# KiCad board GateMateA1-EVB_Rev_B.kicad_pcb (continued)
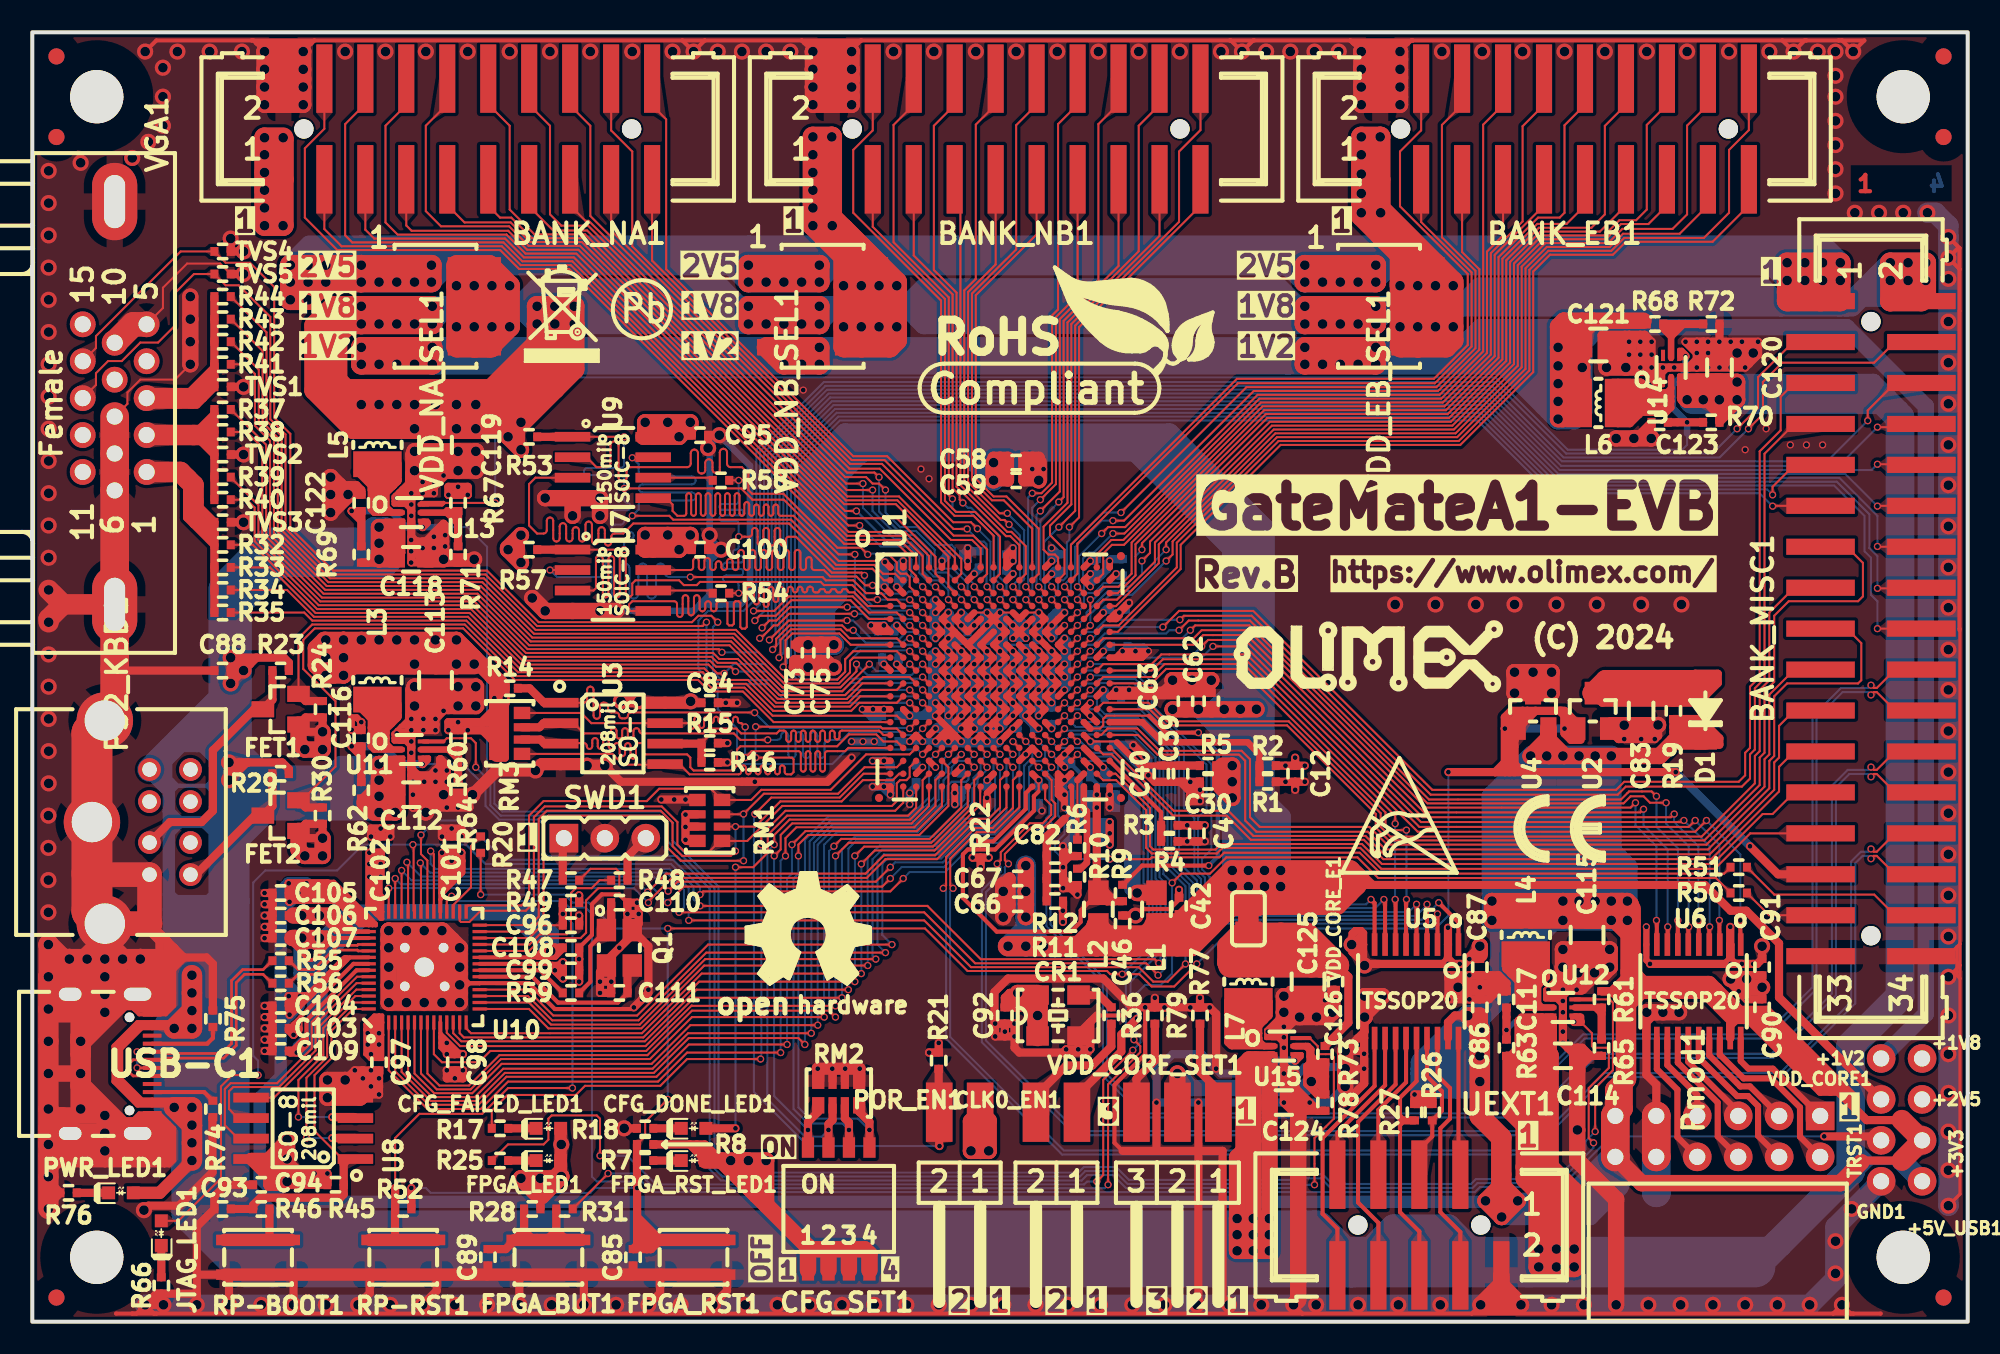
[diagram p0: board, top side]
## Routing (per net, layer and track width the routed paths; a pad name or vN(x,y) marks a point on that pad's centre or on a via; arc(x,y) is an arc through that point) (continued)
  Top w0.508: 79.7,13.09 R78.2 ; 79.7,13.09 79,13.09 C124.2 ; 79.7,13.09 79.7,13.1 v1(79.2,13.6) 78.3,14.5 78.3,14.6 ; 71.8,32.3 v1(72.4,32.3) v1(72.4,33) ; 71.8,32.3 71.8,32.7 ; 71.8,32.3 72.4,32.9 v1(72.4,33) ; v1(23.5,37.4) v1(25,37.4) 25.8,38.2 ; 100.31,59.2 99.2,59.2 99,59.4 v2(98.8,59.2) 98.8,61.17 98.74,61.23 C121.2 ; 100.31,59.2 100.9,59.2 ; 100.31,59.2 99.97,59.53 99.97,61.23 ; 25.5,49.5 25.6,49.4 25.6,49.15 ; 25.5,49.5 24.4,48.4 24.2,48.4 ; 25.5,49.5 24.9,48.9 v1(24.9,48.7) ; v1(78.3,15.4) 78.3,14.6 ; v1(78.3,15.4) 78.1,15.4 ; v1(78.3,15.4) v1(77.6,15.4) ; 78.3,14.6 78.3,13.9 78.49,13.71 77.6,14.6 ; C117.2 91.39,20.5 90.8,20.5 ; C117.2 91.4,21 ; C117.2 90.81,20.51 90.8,20.5 ; v2(80.6,19.2) 80.8,19.4 C126.1 77.99,20.59 v2(77.6,20.2) ; 90.8,20.5 90.8,21.1 90.4,21.5 ; 90.8,20.5 90.9,20.5 91.4,21 ; 90.8,20.5 90.31,20.01 C86.2 ; 90.8,20.5 90,20.5 v1(89.75,20.75) ; 20.5,15.6 v1(20,15.6) v2(19.4,15) ; 20.5,15.6 20.5,14.6 21.5,14.6 ; 20.5,15.6 20.51,15.59 C97.2 v1(21.5,15.1) 21.5,14.6 ; v1(71.8,33.49) 71.8,33 ; v1(71.8,33.49) C40.1 69.61,33.49 v1(69.2,33.9) ; v1(71.8,33.49) C39.1 ; 71.8,33 71.8,32.7 ; 71.8,33 v1(72.4,33) ; 28.2,2.92 28.25,2.97 C89.2 ; U5.11 v1(82.57,16.62) ; U5.11 82.2,17.6 ; U5.11 82.57,18.88 v2(82.6,18.9) 82.6,18 82.2,17.6 ; v1(82.57,16.62) v1(82.57,15.7) ; v1(82.57,16.62) 82.4,16.8 v2(81.4,16.8) 82.2,17.6 ; R22.2 58.31,28.79 v1(58.3,28.8) ; R22.2 59.29,28.79 v1(59.3,28.8) ; R22.2 v1(58.8,28.2) ; 65.6,18.6 66,19 ; 65.6,18.6 64.87,17.87 CR1.2 64.87,16.92 v1(64.85,16.9) ; 65.6,18.6 v1(65.6,16.9) ; 23.9,31.9 23.9,33.2 ; 23.9,31.9 v1(23.6,31.9) ; 23.9,31.9 v1(27.1,31.9) ; 23.9,33.2 v1(23.6,33.5) ; 23.9,33.2 25.7,33.2 ; C88.2 5.21,40.4 5.11,40.5 ; v1(25,34.2) v1(24.3,33.5) ; v1(25,34.2) 25.3,34.5 25.3,34.9 ; v1(25,34.2) v1(25,33.5) ; v1(25,34.2) 24.7,33.9 23.9,33.9 ; R66.2 10.16,1.74 10.2,1.7 ; R66.2 8,1.55 7.5,1.05 ; R66.2 7.69,1.74 v2(7,1.05) 7.5,1.05 ; R66.2 8,1.19 v2(8.14,1.05) 7.5,1.05 ; v2(20.2,1.05) 20.92,1.78 RP-RST1.2 ; 80.6,20 80.7,20.1 80.7,20.59 ; 72.3,10.6 73.8,10.6 73.8,1.45 v2(74.2,1.05) ; 72.3,10.6 72.3,1.15 v2(72.2,1.05) ; 72.3,10.6 69.7,10.6 ; 72.3,10.6 v1(72.3,13.6) ; RM2.2.2 49.62,15.68 v1(49.6,15.7) ; v2(24.2,1.05) 25.08,1.93 RP-RST1.2 ; C82.2 63.92,28.89 R6.1 64.3,28.89 ; C82.2 63.91,28.5 ; C82.2 63.91,29.3 ; R10.1 64.32,27.09 R12.2 ; R10.1 v1(64.8,26.5) 64.4,26.9 v1(63.91,26.9) ; R10.1 64.1,27.09 v1(63.91,26.9) ; 23.5,48 v1(24.2,48) 25.5,48 v1(25.6,48.1) ; 23.5,48 23.5,47.11 24.19,47.11 C118.2 24.2,47.3 23.5,48 ; 23.5,48 23.5,49.3 ; 23.5,48 23.9,48.4 ; 25.3,34.9 25.7,34.5 v1(25.7,33.5) ; 25.3,34.9 25.3,33.5 ; v1(59.7,18.5) v1(59.7,17.7) 60.3,17.7 ; v1(59.7,18.5) 59.71,18.49 C92.1 ; v1(59.7,18.5) 59.66,18.54 59.66,20.46 60.49,21.29 66.41,21.29 68.19,19.51 v1(69,19.51) R79.2 ; v1(21.5,14.1) 20.23,14.1 U8.4 ; v1(21.5,14.1) 21.5,14.6 ; v1(21.5,14.1) v1(21,14.6) v1(21,15.6) ; v2(1,9) 1,8.74 R76.2 1,7.26 v2(1,7) ; 100.39,54.81 C123.2 99.39,54.8 ; v1(23.6,33.5) v1(23.6,31.9) ; v1(23.6,33.5) 25.3,33.5 ; 10.2,1.7 v2(10.2,1.05) ; 10.2,1.7 10.2,2.9 ; U6.11 100.07,18.58 100.7,19.2 ; U6.11 100.07,19.18 v2(100.1,19.2) ; U6.11 100.07,15.33 100.69,14.71 Pmod1.5 ; R75.1 11.2,22.2 10.8,22.6 9.4,22.6 ; 7.9,24.1 7.9,22.5 7.9,23.6 6.8,24.7 ; 7.9,24.1 8.35,23.65 ; 7.9,24.1 7.3,24.7 ; v1(65.6,16.9) v1(64.1,16.9) 63.9,16.7 ; v1(65.6,16.9) 65.4,16.7 63.9,16.7 ; v1(33.9,25.2) 33.91,25.19 C96.2 ; 77.6,14.6 v1(77.6,13.6) 77.6,13.59 78.49,12.7 ; 77.6,14.6 77.6,15.9 ; 78.1,15.4 77.6,15.9 ; 78.1,15.4 78.1,13.39 78.49,13 ; 77.6,15.9 v2(77.6,19.2) ; v2(6.7,22.5) 6.8,22.6 8.4,22.6 ; C42.2 v1(71.1,26.8) ; 102.5,59.2 102.7,59.2 103.2,59.7 ; 102.5,59.2 100.9,59.2 ; 102.5,59.2 v1(103.9,59.2) ; 102.5,59.2 102.25,59.2 ; 8.35,23.65 8.4,23.6 8.4,22.6 ; 8.35,23.65 8.8,23.2 ; v1(72.7,29.8) 72.21,29.8 C4.2 72.19,29.8 v1(71.61,29.8) R4.1 ; C102.2 v1(21.6,30.6) ; C102.2 22.19,30.11 v1(22.2,30.1) 22.2,30.6 v1(21.6,30.6) ; C102.2 21.01,30.11 v1(21,30.1) 21,30.6 v1(21.6,30.6) ; 9.4,22.6 8.8,23.2 ; 9.4,22.6 8.8,22.6 ; 9.4,22.6 8.2,21.4 ; v1(87.8,21.5) 87.8,21.32 89.11,20.01 C86.2 ; v1(87.8,21.5) v1(89.1,21.5) ; v1(87.8,21.5) v1(87.8,20) ; 106.45,59.45 106.4,59.5 104.2,59.5 ; 106.45,59.45 107,60 v1(107,60.8) v1(103.2,60.8) v1(103.2,60.1) ; 106.45,59.45 v1(106.2,59.2) v1(103.9,59.2) ; v1(63.91,26.9) R12.2 ; C92.1 60.89,18.49 v1(60.9,18.5) 60.9,17 61.2,16.7 63.9,16.7 ; C92.1 v1(60.3,18) 60.3,17.7 ; C46.2 68.39,25.21 v2(68.4,25.2) ; C39.1 71.8,32.89 71.8,32.7 ; C39.1 72.38,33.49 C30.2 72.4,33.49 v1(72.4,33) ; v1(66.8,32.7) v1(66.8,31.9) ; v1(23.5,36.7) v1(25,36.7) 25,37.05 ; 63.91,28.5 v1(63.91,28.2) R12.2 ; 63.91,28.5 64.3,28.89 ; 23.5,50.95 v1(23.5,51.4) ; v1(23.5,51.4) v1(24.9,51.4) 24.9,51.8 ; v1(23.5,51.4) 23.5,49.3 ; 23.5,36.8 23.75,37.05 25,37.05 ; 23.5,36.8 23.5,36.34 23.86,36.7 v1(24.25,36.7) 24.25,38.15 24.3,38.2 ; 23.5,36.8 23.5,34.4 ; v1(25.6,48.8) 25.5,48.7 v1(24.9,48.7) ; C98.2 25.71,15.59 v1(25.7,15.6) 25.7,15.1 26.7,15.1 v1(26.7,15.6) 26.69,15.59 C98.2 ; C98.2 v1(26.2,15.1) ; 8.8,23.2 8.8,22.6 ; 8.8,22.6 8.4,22.6 ; 99,60.85 99,61.23 ; 99,60.85 99,60.35 ; 99,60.85 99.2,60.85 99.22,60.83 ; 99,61.23 97.33,61.23 97.3,61.2 97.3,59.5 v2(97.6,59.2) ; 99,61.23 99.7,61.23 ; 99,61.23 99.22,61 99.22,60.83 ; v1(25.7,33.5) 25.7,33.2 ; v1(25.7,33.5) 25.3,33.5 ; R16.2 v1(43.1,34.7) ; v1(103.2,60.1) 103.2,59.7 ; v1(103.2,60.1) 103.21,60.09 C120.2 ; v1(103.2,60.1) v1(102.5,60.8) 103.6,60.8 ; 103.2,59.7 v1(103.2,59.2) 103.6,59.6 103.6,60.8 ; C101.2 v1(26,30.6) ; C101.2 26.59,30.11 v1(26.6,30.1) 26.6,30.6 v1(26,30.6) ; C101.2 25.41,30.11 v1(25.4,30.1) 25.4,30.6 v1(26,30.6) ; 91.4,21 90.9,21.5 90.4,21.5 ; C103.2 v1(14.4,18.2) ; C103.2 14.89,18.9 ; C103.2 14.89,17.5 ; 95.79,16.5 95.79,16.99 95.8,17 ; 95.79,16.5 95.7,16.5 95.2,17 ; 95.79,16.5 97.29,16.5 R65.2 96.61,16.49 ; v1(106.3,20) 106.31,20.01 C90.2 v2(107.25,20.75) C91.2 106.53,21.49 v2(106.3,21.26) ; v1(106.3,20) 106.3,20.75 ; v1(106.3,20) 105.3,21 v2(105.3,21.26) ; C12.2 78.29,33.5 v1(77.7,33.5) R1.1 ; C12.2 v1(78.3,33) ; C12.2 78.31,33.5 v1(78.9,33.5) ; C86.2 v1(89.75,20.75) ; 103.6,60.8 v1(103.9,60.8) v1(103.9,60.1) v1(103.9,59.2) ; v2(25.5,32.7) 25.74,32.46 R64.2 27.06,32.46 v2(27.3,32.7) 27.1,32.5 v1(27.1,31.9) ; 94.9,18.6 v1(94.9,17.3) 95.2,17 ; 94.9,18.6 94.9,18.8 ; 94.9,18.6 94.9,20.8 ; v1(14.4,17.5) 14.89,17.5 ; 14.89,17.5 C109.2 v1(14.4,16.8) ; C122.2 20.29,51.31 19.7,51.9 ; C122.2 19.59,51.31 v2(19.58,51.32) ; C122.2 20.4,51.6 20.1,51.9 19.7,51.9 ; v1(33.9,21.1) 33.91,21.11 C99.2 33.91,22.49 v1(33.9,22.5) 33.91,22.51 C108.2 ; 23.5,34.4 23.5,33.9 ; 23.5,34.4 23.5,34.3 23.9,33.9 ; 23.5,33.9 23.9,33.9 ; 23.5,33.9 23.5,33.59 C112.2 ; FPGA_RST1.2 38.93,1.78 v2(38.2,1.05) ; v1(103.9,59.2) 104.2,59.5 ; 44.3,33.5 49.3,33.5 v1(50.8,35) ; 44.3,33.5 36.5,33.5 v2(35.5,34.5) ; 44.3,33.5 v1(44.8,33.5) ; 104.2,59.5 104.61,59.91 C120.2 ; v2(13.1,66.4) TVS4.1 12.31,67.19 v2(12.3,67.2) ; 23.5,51.08 23.82,51.4 v1(24.2,51.4) 23.95,51.4 ; 41.91,48.3 42.31,47.9 v2(42.7,47.9) C100.1 41.91,48.3 ; 41.91,48.3 41.91,48.71 v2(42,48.8) ; 99.7,61.23 99.97,61.23 ; 99.7,61.23 v1(99.7,59.2) 99.22,59.67 99.22,59.9 ; 99.97,61.23 v1(100.4,60.8) 100.4,59.45 100.65,59.2 v1(101.1,59.2) ; R79.2 v1(69.6,20.1) ; R79.2 70.19,19.51 v1(70.2,19.5) 70.21,19.51 R77.1 ; v2(42.6,55) C95.1 41.91,54.21 v2(41.9,54.2) ; v1(82.57,15.7) 82.57,14.78 81.4,13.6 v2(81.4,14.6) ; v1(82.57,15.7) v2(81.4,15.7) ; 19.7,51.9 19,51.9 ; v1(56.2,17.3) R21.1 55.61,16.71 v1(55.6,16.7) ; 99,60.35 99,59.8 99.22,59.58 99.22,59.9 ; 99,60.35 99.22,60.58 ; v1(27.1,31.9) 26.8,32.2 23.9,32.2 v1(23.6,31.9) ; 23.9,48.4 23.8,48.4 23.5,48.7 ; 23.9,48.4 24.2,48.4 ; Q1.3 36.9,24.6 36.9,25.99 C110.2 v1(37.5,26) 37.6,25.9 37.6,24.7 Q1.3 ; Q1.3 37.2,24 v1(36.4,23.2) 35.6,22.4 Q1.3 ; Q1.3 38.2,23.3 38.2,20.4 v1(37.8,20) v1(37.3,19.5) ; C87.2 89.11,21.49 87.8,20.18 v1(87.8,20) ; C87.2 v1(89.75,20.75) ; C87.2 90.39,21.49 90.4,21.5 ; C120.2 104.61,61.89 R72.2 ; R77.1 71.81,19.51 v1(71.8,19.5) ; R77.1 72.99,19.51 v1(73,19.5) 73.4,19.1 v1(73.4,15.7) ; R77.1 v1(72.4,20.1) ; C63.1 C62.1 v2(73.1,39.8) ; C63.1 71.49,39.01 71.25,39.25 ; C63.1 71.5,39.4 v2(71.9,39.8) ; 25.7,33.2 v1(25.7,31.9) ; TVS1.1 v2(13.1,58) ; v1(24.9,48.7) 25.15,48.7 25.6,49.15 ; 63.91,29.3 63.91,29.49 v1(63.9,29.5) ; 63.91,29.3 64.3,28.91 64.3,28.89 ; 10.2,2.9 10.22,2.92 RP-BOOT1.2 12.2,2.65 v2(12.2,1.05) ; 10.2,2.9 10.2,5.91 C93.1 11.29,7.78 12.01,8.5 C94.1 ; TVS3.1 v2(13.1,49.6) ; 96.61,16.49 95.79,15.67 95.79,15.6 ; 96.61,16.49 96.1,17 95.8,17 ; v1(87.8,20) v1(89.1,20) ; R18.2 v2(36.7,12) ; 14.89,18.9 C104.2 v1(14.4,19.6) ; 14.89,18.9 v1(14.4,18.9) ; 37.2,2.92 37.25,2.97 C85.1 ; v2(6.92,6.92) 7.2,7.2 9.1,7.2 11.17,9.27 11.17,12.66 R74.1 ; v1(68.27,35.77) v1(68.96,35.07) ; C84.1 v1(43,38.4) v1(43.7,38.4) ; 100.9,59.2 100.95,59.2 ; 25.2,52.1 25.9,52.8 ; 25.2,52.1 24.9,51.8 ; 25.2,52.1 v1(24.9,52.1) 23.5,52.1 ; TVS2.1 v2(13.1,53.8) ; 95.2,17 95.8,17 ; 60.3,17.7 v1(60.9,17.7) ; v1(36.9,25.3) v1(37.6,25.3) ; v1(94.9,19.9) 94.9,20.25 95.45,20.8 ; v1(69.7,13.6) 69.7,10.6 ; 69.7,10.6 67.6,10.6 ; v1(14.4,23.8) C107.2 14.89,24.5 ; 99.22,59.9 99.22,60.58 ; 99.22,60.58 99.22,60.83 ; v1(14.4,24.5) 14.89,24.5 ; 14.89,24.5 C106.2 ; RP-BOOT1.2 16.2,2.8 v2(16.2,1.05) ; FPGA_BUT1.2 30.2,2.65 v2(30.2,1.05) ; 14.89,25.9 C105.2 v1(14.4,26.6) ; 14.89,25.9 v1(14.4,25.9) ; 14.89,25.9 C106.2 ; 100.8,36.35 v1(100.6,36.15) v1(98.7,36.15) 98.35,36.15 U2.2 98.15,36.35 100.8,36.35 ; 100.8,36.35 v2(100.8,37.03) ; v1(100.4,60) v1(99,60) ; 24.9,51.8 23.5,51.8 ; 25.6,48.4 v1(25.6,48.1) ; 25.6,48.4 25.6,49.15 ; 25.6,48.4 24.2,48.4 ; v1(25.6,48.1) 25.6,47.8 26.1,47.3 ; v1(25.6,48.1) 25.6,47.4 v2(25.5,47.3) 25.71,47.09 R71.2 27.19,47.09 v2(27.4,47.3) ; v1(67.4,44) v1(68,44.6) ; C106.2 v1(14.4,25.2) ; v1(24.25,37.4) 25.05,38.2 ; Q1.3 35.9,21.8 35.9,21 35.89,20.99 C111.2 v1(35.2,20.4) 35.2,21.7 Q1.3 ; 50.3,15.7 50.38,15.62 RM2.3.2 ; 23.5,49.3 23.5,49.65 ; v2(34.2,1.05) 34.2,2.8 FPGA_BUT1.2 ; v2(42.2,1.05) 43.07,1.93 FPGA_RST1.2 ; 25,37.05 C113.2 ; v1(39,32.4) v1(40.5,32.4) 41.21,32.4 RM1.4.2 ; TVS5.1 v2(13.1,65) ; v1(59.2,31.8) v1(59.2,32.5) ; C83.2 v1(99.75,36.15) ; 20.4,37.2 20.4,37.19 C116.2 19.81,36.71 v1(19.8,36.72) ; v1(35.9,21.1) v1(35.2,21.1)
  Top w0.762: 78.49,13.71 C124.2 ; 60.2,27.11 C67.1 C66.1 60.59,25.49 v2(60.2,25.1) ; 62,53.6 61.51,53.6 C59.1 v2(62.4,52.2) ; 62,53.6 62.4,53.6 v2(62.4,52.2) ; 62,53.6 62,52.6 v2(62.4,52.2) ; 18.3,14.4 v2(18.3,15) ; 18.3,14.4 v2(18.3,13.9) 18.31,13.91 U8.4 20.5,13.91 20.03,14.36 ; 18.3,14.4 20,14.4 20.03,14.36 ; v2(27.4,47.3) v2(25.5,47.3) ; 7.6,12.5 7.6,12.14 USB-C1.0 ; C75.1 49.31,40.99 v2(49.7,40.6) ; C75.1 47.71,40.99 ; C75.1 48.49,40.99 v2(48.1,40.6) 47.71,40.99 ; 35.19,51.09 v2(35.2,51.1) ; 47.71,40.99 C73.1 47.3,40.7 47.4,40.6 ; 20.03,14.36 v2(19.4,15) ; 51.27,15.67 v1(51.3,15.7) ; 51.27,15.67 51.24,15.7 v1(49.6,15.7) v1(48.7,15.7) 48.73,15.67 RM2.1.2 ; 51.27,15.67 RM2.4.2 ; v2(23.7,52.8) 23.5,52.6 v1(23.5,51.4) ; v2(23.7,39.4) 23.5,39.2 23.5,36.8 23.5,37.6 24.68,38.78 C113.2 ; v2(35.5,34.5) v2(34.4,34.5) 34.31,34.59 U3.4 31.59,34.59 v2(31.2,34.2) 28.8,34.2 v2(27.3,32.7) v2(25.5,32.7) ; v1(23.5,51.4) 23.5,53.8 v2(23.7,54) ; v1(23.5,51.4) 23.5,52.2 24.1,52.8 ; RP-BOOT1.2 RP-BOOT1.2 RP-RST1.2 RP-RST1.2 FPGA_BUT1.2 FPGA_BUT1.2 FPGA_RST1.2 FPGA_RST1.2
  Top w1.016: v2(23.7,52.8) v2(23.7,54) v2(26.4,54) ; v2(23.7,52.8) 24.28,53.38 C119.2 ; v2(23.7,52.8) v2(26.4,52.8) ; v2(25.5,32.7) C112.2 24.39,31.61 v2(24.4,31.6) ; v2(48.4,77.7) v2(48.4,76.6) ; v2(48.4,77.7) v2(48.4,78.8) ; v2(48.4,77.7) 49,77.1 50.8,77.1 ; v2(48.4,77.7) v2(50.8,77.7) ; v2(48.4,76.6) v2(50.8,76.6) ; v2(48.4,76.6) 49,76 50.8,76 ; v2(48.4,76.6) v2(48.4,75.5) v2(50.8,75.5) 50.8,76 ; 26,23.7 v2(26.5,23.2) ; 26,23.7 22.1,23.7 ; 26,23.7 25.44,24.27 v2(22.1,24.27) 22.1,23.7 ; v2(26.5,23.2) 26.49,23.21 U10.57 ; v2(26.5,23.2) 26.5,20.4 ; v2(22.1,23.2) v2(22.1,19.8) 22.2,19.8 ; v2(22.1,23.2) 22.11,23.21 U10.57 U10.57 ; v2(22.1,23.2) 23.1,22.2 23.1,19.8 U10.57 ; v2(22.1,23.2) 22.1,23.7 ; 27.5,38.9 v2(27.5,39.4) v2(23.7,39.4) v2(23.7,38.2) ; 27.5,38.9 24.4,38.9 v2(23.7,38.2) ; 27.5,38.9 v2(27.5,38.2) v2(23.7,38.2) ; 84.8,76 v2(84.8,75.5) v2(82.4,75.5) ; 84.8,76 84.8,77.2 ; 84.8,76 82.9,76 v2(82.4,75.5) ; v2(102.1,19.2) v2(101.1,19.2) v2(100.1,19.2) ; v2(48.4,78.8) v2(50.8,78.8) ; v2(48.4,78.8) 49.57,77.63 BANK_NB1.2 49.57,77.57 v2(50.8,78.8) ; v2(18.5,51.32) v2(18.5,50.2) 18.5,50.25 v2(19.58,51.32) ; v2(18.5,51.32) v2(19.58,51.32) ; v2(18.5,51.32) v2(18.5,52.4) v2(19.58,51.32) ; v2(81.4,16.8) v2(81.4,15.7) v2(81.4,14.6) ; v2(93.05,40.3) v2(94.2,40.3) ; v2(93.05,40.3) U4.3 ; v2(93.05,40.3) v2(91.9,40.3) ; v2(94.2,40.3) 93.05,39.15 U4.3 ; v2(94.2,40.3) v2(94.2,39) U4.3 ; 100.31,59.2 v1(99.7,59.2) v2(98.8,59.2) ; v2(80.6,19.2) v2(77.6,19.2) ; v2(80.6,19.2) 80.3,18.9 78.1,18.9 77.3,18.1 ; v2(80.6,19.2) 80.6,20.2 79.42,20.2 79.3,20.08 ; v2(77.6,19.2) v2(77.6,20.2) 79.18,20.2 79.3,20.08 ; v2(77.6,19.2) 77.6,18.8 78.88,20.08 79.3,20.08 ; v2(36.2,44.1) v2(35.2,44.1) 35.19,44.09 U7.4 31.81,44.09 v2(31.8,44.1) v2(31,44.9) ; v2(98.8,59.2) v2(97.6,59.2) 97.6,60.08 C121.2 98.12,59.88 v2(98.8,59.2) ; 1.9,12.8 1.8,12.8 1,12 ; 1.9,12.8 v2(4.5,12.8) ; 1.9,12.8 1.4,12.8 v2(1,13.2) ; v2(99.3,54.8) v2(98.2,54.8) ; v2(99.3,54.8) v2(100.38,54.8) 100.39,54.81 ; v2(99.3,54.8) 99.39,54.8 ; v2(91.9,40.3) v2(91.9,39) U4.3 ; v2(91.9,40.3) 91.9,40.15 U4.3 ; v2(50.8,76.6) 50.8,76 ; v2(50.8,76.6) 50.8,77.1 ; v2(9.8,63.6) v2(9.8,62.2) v2(9.8,60.8) v2(9.8,59.4) ; U9.4 31.81,51.09 v2(31.8,51.1) ; U9.4 v2(33.5,50) ; U9.4 35.19,51.09 ; v2(26.4,54) 25.78,53.38 C119.2 ; v2(26.4,54) v2(26.4,52.8) ; v2(26.4,54) v2(27.5,54) ; v2(84.8,76.6) v2(82.4,76.6) 83,77.2 84.8,77.2 ; 16.8,77.1 v2(16.8,75.5) v2(14.4,75.5) 14.4,76 ; 16.8,77.1 14.9,77.1 v2(14.4,76.6) v2(16.8,76.6) 16.2,76 14.4,76 ; 16.8,77.1 v2(16.8,78.8) ; v2(26.4,52.8) v2(27.5,52.8) v2(27.5,54) ; v2(26.4,52.8) 26.4,52.9 v2(27.5,54) ; v2(26.4,52.8) 25.82,53.38 C119.2 ; v2(3,15.4) v2(1,15.4) ; 26.5,20.4 22.8,20.4 22.2,19.8 ; 26.5,20.4 v2(26.5,19.8) 26,19.8 ; v2(16.8,77.7) v2(14.4,77.7) ; 95.79,16.5 95.79,10.01 98.2,7.6 v2(98.2,1.05) ; 22.2,19.8 26,19.8 ; 26,19.8 26,22.71 U10.57 ; 21,15.1 20.9,15 v2(19.4,15) v2(18.3,15) v2(18.3,13.9) 20.3,13.9 v1(21,14.6) ; v2(107.25,20.75) 106.3,20.75 106.3,21.26 v2(106.3,21.26) v2(105.3,21.26) ; v2(16.8,78.8) 15.57,77.57 BANK_NA1.2 15.57,77.63 v2(14.4,78.8) ; v2(16.8,78.8) v2(14.4,78.8) ; v2(4.5,12.8) 4.5,11.68 ; v2(4.5,12.8) 5.12,12.17 6.58,12.17 6.9,12.5 ; 90.8,21.1 90.45,20.75 v1(89.75,20.75) v2(88.4,20.75) ; v2(35.2,50) v2(35.2,51.1) ; 84.8,77.2 84.8,78.3 ; v2(100.8,37.03) 100.79,37.01 C83.2 v2(98.7,37.01) 97.91,37.01 U2.2 ; 94.9,20.8 94.9,21.75 95.4,22.25 ; 94.9,20.8 96.01,20.8 v2(96.86,21.65) ; 94.9,20.8 v2(94.9,23.1) 96.58,23.1 96.7,22.98 95.88,22.98 v2(94.9,22) ; C118.2 v2(25.5,47.3) ; v2(94.9,22) 95.25,21.65 v2(96.86,21.65) ; v2(94.9,22) 95.15,22.25 ; C124.2 78.49,1.34 v2(78.2,1.05) ; v2(82.4,75.5) v2(82.4,78.8) ; 50.8,77.1 v2(50.8,77.7) ; v2(50.8,77.7) v2(50.8,78.8) ; 8.2,19.6 7.25,19.6 USB-C1.0 ; 84.8,78.3 v2(84.8,78.8) v2(82.4,78.8) ; 84.8,78.3 83,78.3 v2(82.4,77.7) v2(84.8,77.7) ; 97.38,22 C115.2 96.52,23.1 v2(97.8,23.1) v2(97.8,22) ; 97.38,22 v2(97.8,22) ; 97.38,22 97.13,22.25 95.4,22.25 ; v2(97.8,22) 97.45,21.65 v2(96.86,21.65) ; v2(97.8,22) 97.55,22.25 95.15,22.25 ; 95.4,22.25 95.15,22.25 ; v2(14.4,78.8) 14.4,76 ; v2(82.4,78.8) 83.57,77.63 BANK_EB1.2 ; v2(49.7,40.6) v2(48.1,40.6) 47.4,40.6 ; 60.2,27.11 v2(60.2,26.7) v2(60.2,25.1) ; 3,19.1 3.1,19.2 ; 62.4,53.3 v2(62.4,52.2) ; v2(106.7,60.1) v2(105.7,60.1) 104.62,60.1 C120.2 ; 91.08,2.27 v2(92.3,1.05) v2(89.8,1.05) 91.08,2.33 UEXT1.2 91.08,2.27 ; v2(70.7,39.8) 71.25,39.25 72.55,39.25 v2(73.1,39.8) v2(70.7,39.8) ; v2(83.7,20.2) 82.6,19.1 v2(82.6,18.9) v2(82.6,20.2) v2(83.7,20.2)
  Top w1.27: 8.2,20.45 8.2,19.75 ; 7.9,22.5 8.2,22.2 8.2,20.3 ; 7.9,22.5 v2(6.7,22.5) ; 7.9,22.5 6.53,21.13 USB-C1.0 ; v2(4.5,19.2) 5.62,20.32 USB-C1.0 ; v2(4.5,19.2) 3,17.7 v2(3,17.4) ; v2(4.5,19.2) v2(4.5,20.3) ; v2(4.5,19.2) 1.2,19.2 1.02,19.38 1.02,19.4 ; 1.02,23.38 1.02,23.4 ; 1.02,23.38 1.02,21.42 ; 1.02,23.38 1.9,22.5 v2(2.3,22.5) ; 1.02,21.42 1.02,21.4 ; 1.02,21.42 v2(1,21.4) ; 1.02,21.42 2.1,22.5 v2(2.3,22.5) ; 1.91,44.5 v2(1.02,45.4) ; 1.91,44.5 VGA1.17 ; 1.91,44.5 1.02,43.61 v2(1.02,43.4) ; 1.02,19.4 1,19.38 v2(1,17.4) v2(1,13.2) v2(1,11) ; 1.02,19.4 1.02,19.42 1.92,20.32 USB-C1.0 ; v2(4.5,20.3) v2(4.5,21.4) ; v2(4.5,20.3) 4.48,20.32 USB-C1.0 ; v2(4.5,20.3) 4.52,20.32 USB-C1.0 ; v2(4.5,21.4) 1.02,21.4 ; v2(4.5,21.4) 5.45,21.4 USB-C1.0 ; v2(6.7,22.5) 6.53,22.33 USB-C1.0 ; v2(6.7,22.5) 3.3,22.5 ; v2(1,7) v2(1,9) v2(1,11) ; 3.3,22.5 4.5,23.7 PS2_KBD1.9 ; 3.3,22.5 v2(2.3,22.5) ; v2(1,11) 2.28,11 USB-C1.0 USB-C1.0 ; USB-C1.0 5.96,20.32 3,17.36 3,16.6 ; v2(3,17.4) 3,16.6 ; v2(3,17.4) 3,19.1 ; 3,16.6 v2(3,13.2) ; USB-C1.0 2.08,20.32 1.02,21.38 ; PS2_KBD1.9 4.5,23.6 v2(5.6,22.5) ; PS2_KBD1.9 v2(4.5,22.5) ; 1.02,21.4 1.02,21.38 ; 1.02,21.38 1,21.37 v2(1,19.4) ; USB-C1.0 USB-C1.0 5.96,11.68 3,14.64 v2(3,15.4)